# KiCad board panel.kicad_pcb (continued)
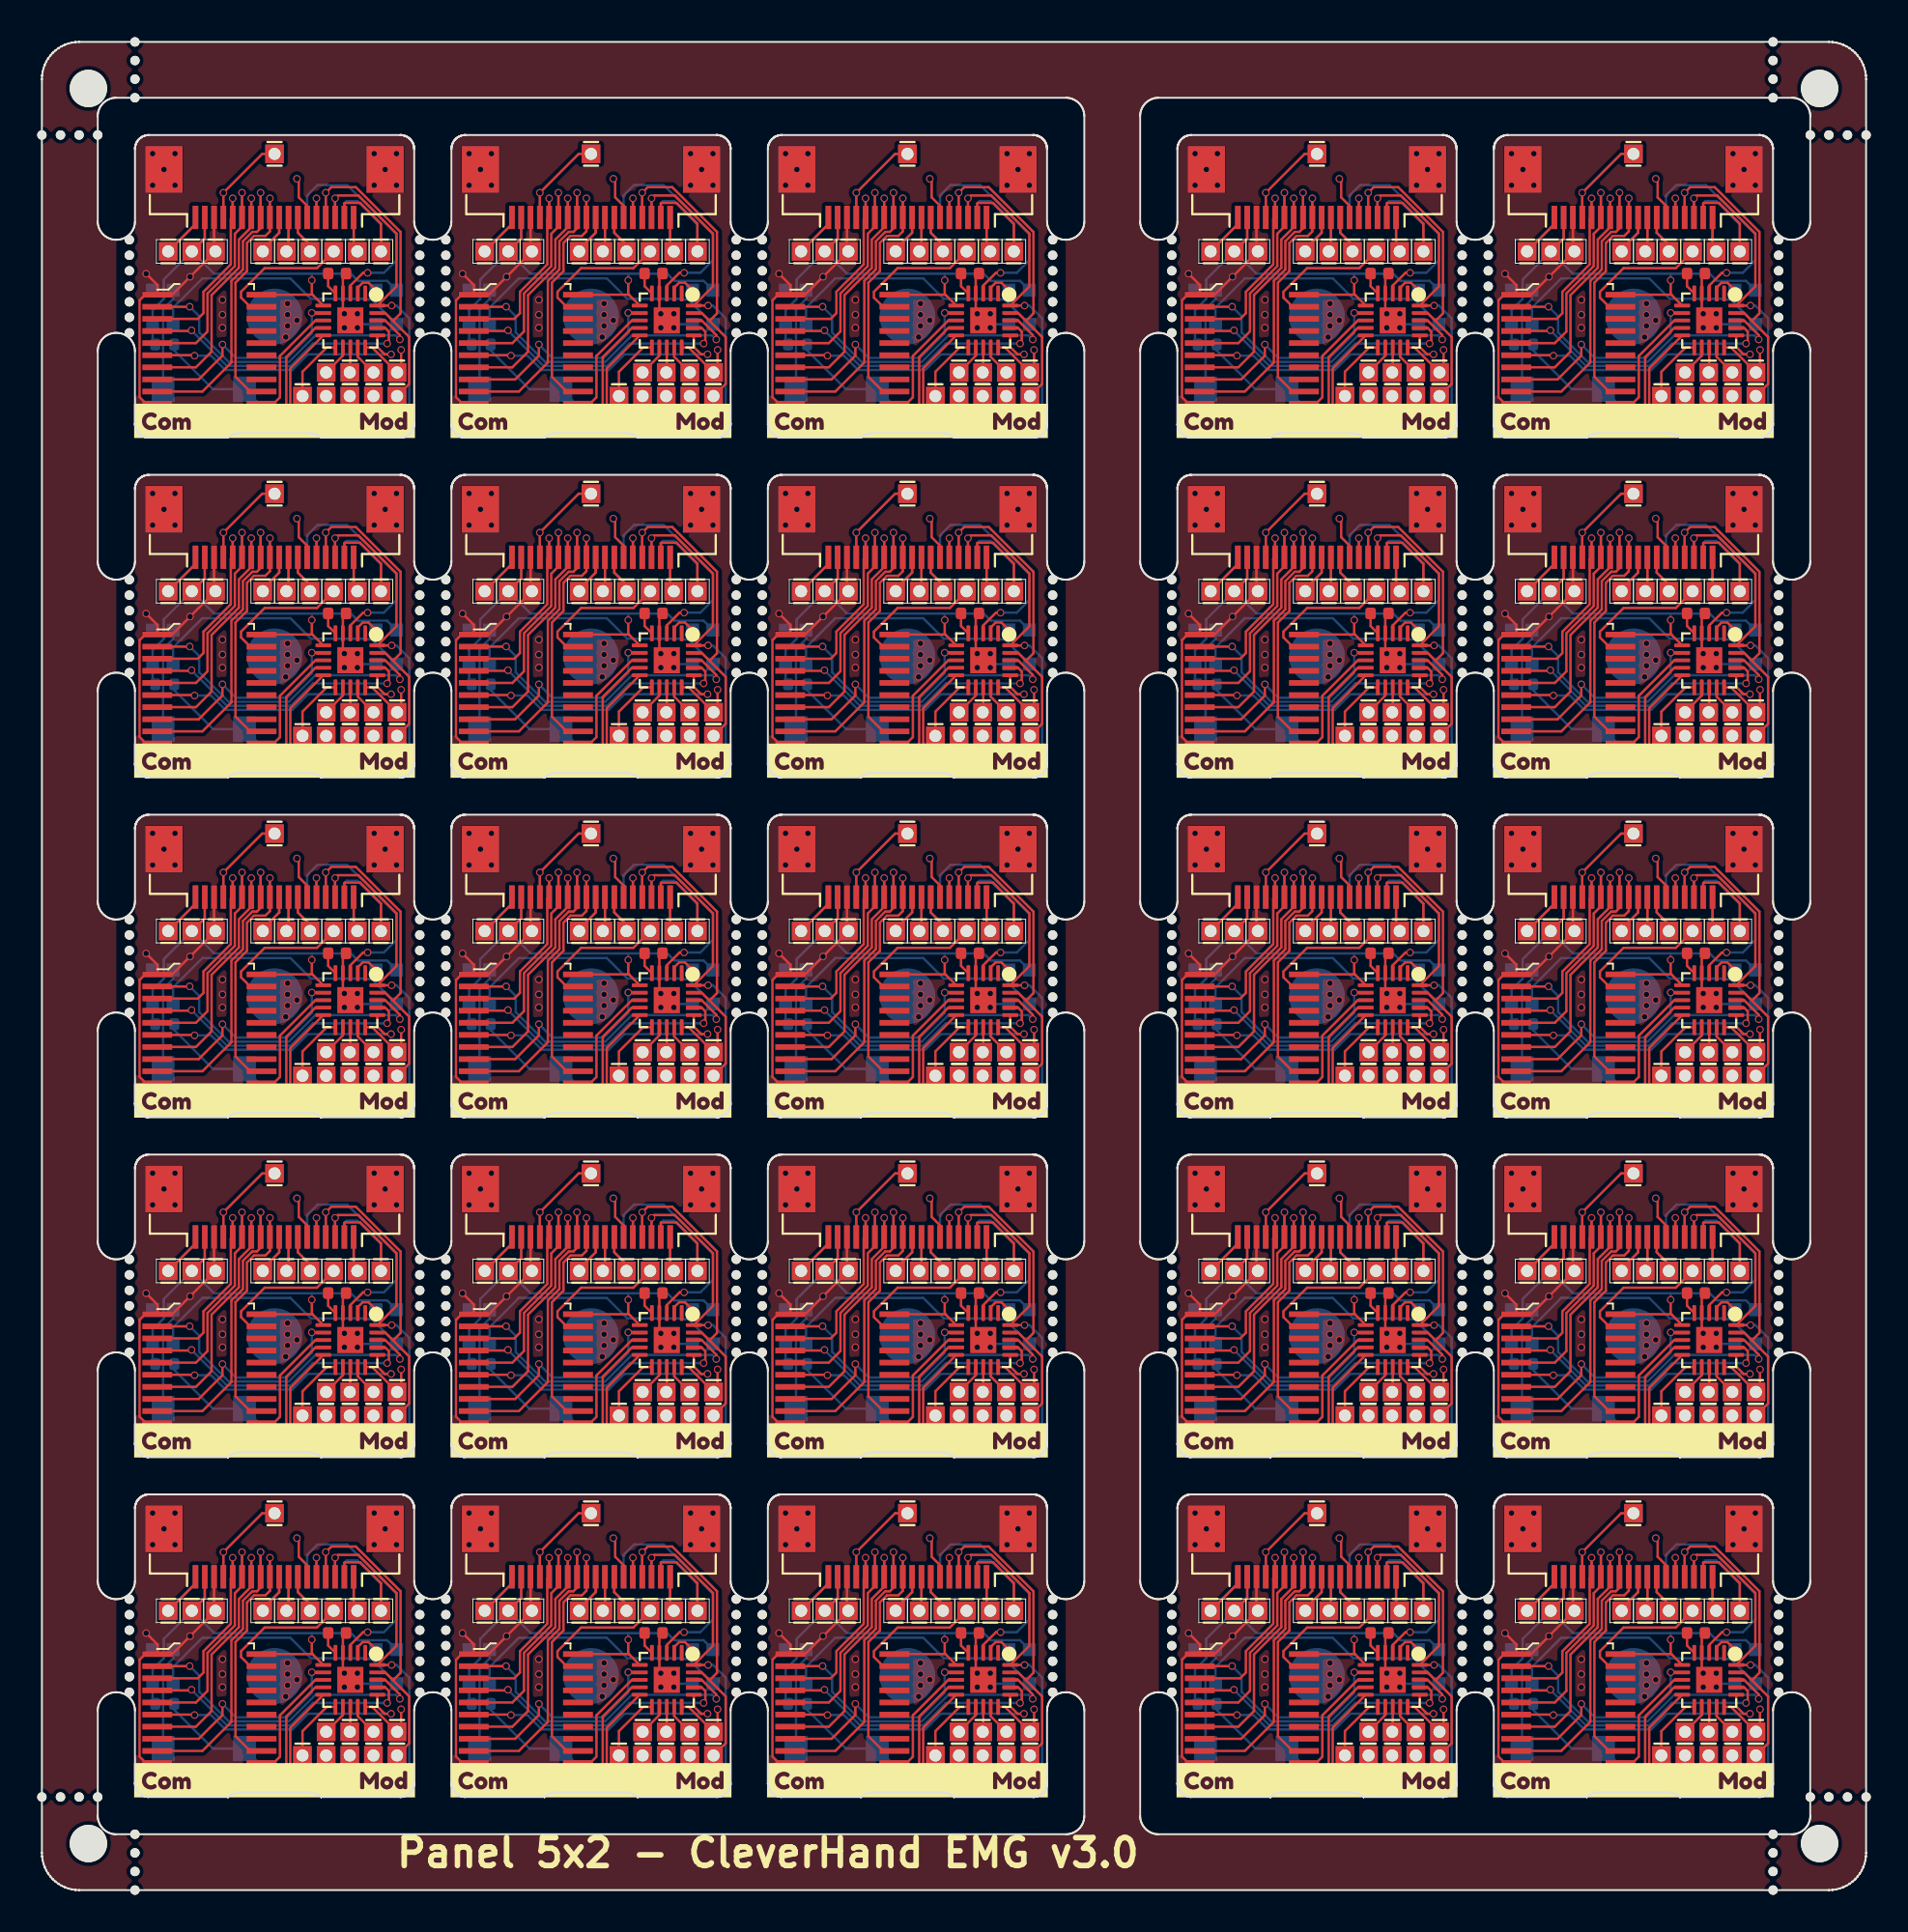
[diagram p0: board, top side]
## Nets (continued)
Board_16-/addr_bus_3: J4#25.8 J10#22.11 U2#6.9
Board_16-/addr_bus_4: J4#25.9 J10#22.10 U2#6.12
Board_16-/addr_bus_5: U2#6.14
Board_16-/addr_bus_6: U2#6.16
Board_16-/addr_bus_7: U2#6.18
Board_16-/addr_mod_0: U1#17.18 U2#6.2
Board_16-/addr_mod_1: U1#17.17 U2#6.4
Board_16-/addr_mod_2: U1#17.16 U2#6.6
Board_16-/addr_mod_3: U1#17.7 U2#6.8
Board_16-/addr_mod_4: U1#17.8 U2#6.11
Board_16-/addr_mod_5: U2#6.13
Board_16-/addr_mod_6: U2#6.15
Board_16-/addr_mod_7: U2#6.17
Board_16-/AIN0: J18#9.1 U1#17.11
Board_16-/AUX1: J4#25.1 J10#22.18 J19#19.1
Board_16-/AUX2: J4#25.17 J10#22.2 J20#23.1
Board_16-/AUX3: J3#7.1 J4#25.4 J10#22.15
Board_16-/CSB: J8#4.1 U2#6.19
Board_16-/extRef: J4#25.18 J9#2.1 J10#22.1
Board_16-/GPIO: J21#14.1 R1#17.2 SW1#19.1 U1#17.10
Board_16-/i2C_SCL: J4#25.16 J10#22.3 J16#17.1 U1#17.20
Board_16-/I2C_SDA: J4#25.15 J10#22.4 J17#2.1 U1#17.19
Board_16-/IO1_in: J4#25.13 U1#17.3
Board_16-/IO1_out: J10#22.6 J11#4.1 U1#17.15
Board_16-/IO2: J4#25.14 J10#22.5
Board_16-/LED_IN: LED1#21.3 U1#17.2
Board_16-/LED_OUT: LED2#2.1
Board_16-/MISO: J4#25.10 J5#3.1 J10#22.9
Board_16-/MOSI: J4#25.11 J6#22.1 J10#22.8
Board_16-/MOSI_ARM: J13#20.1 U1#17.13
Board_16-/SCLK: J4#25.12 J7#22.1 J10#22.7
Board_16-/SCLK_ARM: J14#17.1 U1#17.12
Board_16-/SPICS_ARM: J15#25.1 U1#17.9
Board_16-/SWDIO/MISO_ARM: J12#6.1 U1#17.14
Board_16-/Vcap: C1#23.2 U1#17.5
Board_16-GND: C1#23.1 I1#2.1 J2#21.1 J4#25.3 J4#25.19 J4#25.20 J10#22.16 J10#22.19 J10#22.20 LED1#21.2 LED2#2.2 SW1#19.2 U1#17.4 U1#17.21 U2#6.1 U2#6.10
Board_16-Net-(LED1-DO): LED1#21.1 LED2#2.3
Board_16-unconnected-(U1-P00-Pad1): U1#17.1
Board_17-+3.3V: J1.1 J4.2 J10#25.17 LED1#7.4 LED2#23.4 R1#24.1 U1#4.6 U2#7.20
Board_17-/addr_bus_0: J4.5 J10#25.14 U2#7.3
Board_17-/addr_bus_1: J4.6 J10#25.13 U2#7.5
Board_17-/addr_bus_2: J4.7 J10#25.12 U2#7.7
Board_17-/addr_bus_3: J4.8 J10#25.11 U2#7.9
Board_17-/addr_bus_4: J4.9 J10#25.10 U2#7.12
Board_17-/addr_bus_5: U2#7.14
Board_17-/addr_bus_6: U2#7.16
Board_17-/addr_bus_7: U2#7.18
Board_17-/addr_mod_0: U1#4.18 U2#7.2
Board_17-/addr_mod_1: U1#4.17 U2#7.4
Board_17-/addr_mod_2: U1#4.16 U2#7.6
Board_17-/addr_mod_3: U1#4.7 U2#7.8
Board_17-/addr_mod_4: U1#4.8 U2#7.11
Board_17-/addr_mod_5: U2#7.13
Board_17-/addr_mod_6: U2#7.15
Board_17-/addr_mod_7: U2#7.17
Board_17-/AIN0: J18#2.1 U1#4.11
Board_17-/AUX1: J4.1 J10#25.18 J19#15.1
Board_17-/AUX2: J4.17 J10#25.2 J20#16.1
Board_17-/AUX3: J3#19.1 J4.4 J10#25.15
Board_17-/CSB: J8#14.1 U2#7.19
Board_17-/extRef: J4.18 J9#24.1 J10#25.1
Board_17-/GPIO: J21#4.1 R1#24.2 SW1#23.1 U1#4.10
Board_17-/i2C_SCL: J4.16 J10#25.3 J16#24.1 U1#4.20
Board_17-/I2C_SDA: J4.15 J10#25.4 J17#19.1 U1#4.19
Board_17-/IO1_in: J4.13 U1#4.3
Board_17-/IO1_out: J10#25.6 J11#19.1 U1#4.15
Board_17-/IO2: J4.14 J10#25.5
Board_17-/LED_IN: LED1#7.3 U1#4.2
Board_17-/LED_OUT: LED2#23.1
Board_17-/MISO: J4.10 J5#20.1 J10#25.9
Board_17-/MOSI: J4.11 J6#12.1 J10#25.8
Board_17-/MOSI_ARM: J13#9.1 U1#4.13
Board_17-/SCLK: J4.12 J7#11.1 J10#25.7
Board_17-/SCLK_ARM: J14#6.1 U1#4.12
Board_17-/SPICS_ARM: J15#14.1 U1#4.9
Board_17-/SWDIO/MISO_ARM: J12#4.1 U1#4.14
Board_17-/Vcap: C1#18.2 U1#4.5
Board_17-GND: C1#18.1 I1#23.1 J2#19.1 J4.3 J4.19 J4.20 J10#25.16 J10#25.19 J10#25.20 LED1#7.2 LED2#23.2 SW1#23.2 U1#4.4 U1#4.21 U2#7.1 U2#7.10
Board_17-Net-(LED1-DO): LED1#7.1 LED2#23.3
Board_17-unconnected-(U1-P00-Pad1): U1#4.1
Board_18-+3.3V: J1#8.1 J4#4.2 J10#21.17 LED1#23.4 LED2#10.4 R1#15.1 U1#21.6 U2#24.20
Board_18-/addr_bus_0: J4#4.5 J10#21.14 U2#24.3
Board_18-/addr_bus_1: J4#4.6 J10#21.13 U2#24.5
Board_18-/addr_bus_2: J4#4.7 J10#21.12 U2#24.7
Board_18-/addr_bus_3: J4#4.8 J10#21.11 U2#24.9
Board_18-/addr_bus_4: J4#4.9 J10#21.10 U2#24.12
Board_18-/addr_bus_5: U2#24.14
Board_18-/addr_bus_6: U2#24.16
Board_18-/addr_bus_7: U2#24.18
Board_18-/addr_mod_0: U1#21.18 U2#24.2
Board_18-/addr_mod_1: U1#21.17 U2#24.4
Board_18-/addr_mod_2: U1#21.16 U2#24.6
Board_18-/addr_mod_3: U1#21.7 U2#24.8
Board_18-/addr_mod_4: U1#21.8 U2#24.11
Board_18-/addr_mod_5: U2#24.13
Board_18-/addr_mod_6: U2#24.15
Board_18-/addr_mod_7: U2#24.17
Board_18-/AIN0: J18#18.1 U1#21.11
Board_18-/AUX1: J4#4.1 J10#21.18 J19#13.1
Board_18-/AUX2: J4#4.17 J10#21.2 J20.1
Board_18-/AUX3: J3#21.1 J4#4.4 J10#21.15
Board_18-/CSB: J8#12.1 U2#24.19
Board_18-/extRef: J4#4.18 J9#9.1 J10#21.1
Board_18-/GPIO: J21#10.1 R1#15.2 SW1#13.1 U1#21.10
Board_18-/i2C_SCL: J4#4.16 J10#21.3 J16#5.1 U1#21.20
Board_18-/I2C_SDA: J4#4.15 J10#21.4 J17#25.1 U1#21.19
Board_18-/IO1_in: J4#4.13 U1#21.3
Board_18-/IO1_out: J10#21.6 J11#9.1 U1#21.15
Board_18-/IO2: J4#4.14 J10#21.5
Board_18-/LED_IN: LED1#23.3 U1#21.2
Board_18-/LED_OUT: LED2#10.1
Board_18-/MISO: J4#4.10 J5#19.1 J10#21.9
Board_18-/MOSI: J4#4.11 J6#17.1 J10#21.8
Board_18-/MOSI_ARM: J13.1 U1#21.13
Board_18-/SCLK: J4#4.12 J7#14.1 J10#21.7
Board_18-/SCLK_ARM: J14#15.1 U1#21.12
Board_18-/SPICS_ARM: J15#6.1 U1#21.9
Board_18-/SWDIO/MISO_ARM: J12#7.1 U1#21.14
Board_18-/Vcap: C1#25.2 U1#21.5
Board_18-GND: C1#25.1 I1.1 J2#10.1 J4#4.3 J4#4.19 J4#4.20 J10#21.16 J10#21.19 J10#21.20 LED1#23.2 LED2#10.2 SW1#13.2 U1#21.4 U1#21.21 U2#24.1 U2#24.10
Board_18-Net-(LED1-DO): LED1#23.1 LED2#10.3
Board_18-unconnected-(U1-P00-Pad1): U1#21.1
Board_19-+3.3V: J1#12.1 J4#10.2 J10#4.17 LED1#22.4 LED2#18.4 R1#5.1 U1.6 U2#2.20
Board_19-/addr_bus_0: J4#10.5 J10#4.14 U2#2.3
Board_19-/addr_bus_1: J4#10.6 J10#4.13 U2#2.5
Board_19-/addr_bus_2: J4#10.7 J10#4.12 U2#2.7
Board_19-/addr_bus_3: J4#10.8 J10#4.11 U2#2.9
Board_19-/addr_bus_4: J4#10.9 J10#4.10 U2#2.12
Board_19-/addr_bus_5: U2#2.14
Board_19-/addr_bus_6: U2#2.16
Board_19-/addr_bus_7: U2#2.18
Board_19-/addr_mod_0: U1.18 U2#2.2
Board_19-/addr_mod_1: U1.17 U2#2.4
Board_19-/addr_mod_2: U1.16 U2#2.6
Board_19-/addr_mod_3: U1.7 U2#2.8
Board_19-/addr_mod_4: U1.8 U2#2.11
Board_19-/addr_mod_5: U2#2.13
Board_19-/addr_mod_6: U2#2.15
Board_19-/addr_mod_7: U2#2.17
Board_19-/AIN0: J18#5.1 U1.11
Board_19-/AUX1: J4#10.1 J10#4.18 J19#8.1
Board_19-/AUX2: J4#10.17 J10#4.2 J20#18.1
Board_19-/AUX3: J3#4.1 J4#10.4 J10#4.15
Board_19-/CSB: J8#25.1 U2#2.19
Board_19-/extRef: J4#10.18 J9#18.1 J10#4.1
Board_19-/GPIO: J21#2.1 R1#5.2 SW1#17.1 U1.10
Board_19-/i2C_SCL: J4#10.16 J10#4.3 J16#16.1 U1.20
Board_19-/I2C_SDA: J4#10.15 J10#4.4 J17#21.1 U1.19
Board_19-/IO1_in: J4#10.13 U1.3
Board_19-/IO1_out: J10#4.6 J11#24.1 U1.15
Board_19-/IO2: J4#10.14 J10#4.5
Board_19-/LED_IN: LED1#22.3 U1.2
Board_19-/LED_OUT: LED2#18.1
Board_19-/MISO: J4#10.10 J5#25.1 J10#4.9
Board_19-/MOSI: J4#10.11 J6#13.1 J10#4.8
Board_19-/MOSI_ARM: J13#3.1 U1.13
Board_19-/SCLK: J4#10.12 J7.1 J10#4.7
Board_19-/SCLK_ARM: J14#5.1 U1.12
Board_19-/SPICS_ARM: J15#4.1 U1.9
Board_19-/SWDIO/MISO_ARM: J12#23.1 U1.14
Board_19-/Vcap: C1#19.2 U1.5
Board_19-GND: C1#19.1 I1#10.1 J2#15.1 J4#10.3 J4#10.19 J4#10.20 J10#4.16 J10#4.19 J10#4.20 LED1#22.2 LED2#18.2 SW1#17.2 U1.4 U1.21 U2#2.1 U2#2.10
Board_19-Net-(LED1-DO): LED1#22.1 LED2#18.3
Board_19-unconnected-(U1-P00-Pad1): U1.1
Board_20-+3.3V: J1#7.1 J4#18.2 J10#6.17 LED1#13.4 LED2#3.4 R1#18.1 U1#8.6 U2#16.20
Board_20-/addr_bus_0: J4#18.5 J10#6.14 U2#16.3
Board_20-/addr_bus_1: J4#18.6 J10#6.13 U2#16.5
Board_20-/addr_bus_2: J4#18.7 J10#6.12 U2#16.7
Board_20-/addr_bus_3: J4#18.8 J10#6.11 U2#16.9
Board_20-/addr_bus_4: J4#18.9 J10#6.10 U2#16.12
Board_20-/addr_bus_5: U2#16.14
Board_20-/addr_bus_6: U2#16.16
Board_20-/addr_bus_7: U2#16.18
Board_20-/addr_mod_0: U1#8.18 U2#16.2
Board_20-/addr_mod_1: U1#8.17 U2#16.4
Board_20-/addr_mod_2: U1#8.16 U2#16.6
Board_20-/addr_mod_3: U1#8.7 U2#16.8
Board_20-/addr_mod_4: U1#8.8 U2#16.11
Board_20-/addr_mod_5: U2#16.13
Board_20-/addr_mod_6: U2#16.15
Board_20-/addr_mod_7: U2#16.17
Board_20-/AIN0: J18#6.1 U1#8.11
Board_20-/AUX1: J4#18.1 J10#6.18 J19#10.1
Board_20-/AUX2: J4#18.17 J10#6.2 J20#10.1
Board_20-/AUX3: J3#3.1 J4#18.4 J10#6.15
Board_20-/CSB: J8#19.1 U2#16.19
Board_20-/extRef: J4#18.18 J9#20.1 J10#6.1
Board_20-/GPIO: J21#15.1 R1#18.2 SW1#8.1 U1#8.10
Board_20-/i2C_SCL: J4#18.16 J10#6.3 J16#10.1 U1#8.20
Board_20-/I2C_SDA: J4#18.15 J10#6.4 J17#5.1 U1#8.19
Board_20-/IO1_in: J4#18.13 U1#8.3
Board_20-/IO1_out: J10#6.6 J11#7.1 U1#8.15
Board_20-/IO2: J4#18.14 J10#6.5
Board_20-/LED_IN: LED1#13.3 U1#8.2
Board_20-/LED_OUT: LED2#3.1
Board_20-/MISO: J4#18.10 J5#23.1 J10#6.9
Board_20-/MOSI: J4#18.11 J6#8.1 J10#6.8
Board_20-/MOSI_ARM: J13#8.1 U1#8.13
Board_20-/SCLK: J4#18.12 J7#20.1 J10#6.7
Board_20-/SCLK_ARM: J14#4.1 U1#8.12
Board_20-/SPICS_ARM: J15#17.1 U1#8.9
Board_20-/SWDIO/MISO_ARM: J12#5.1 U1#8.14
Board_20-/Vcap: C1#6.2 U1#8.5
Board_20-GND: C1#6.1 I1#6.1 J2#2.1 J4#18.3 J4#18.19 J4#18.20 J10#6.16 J10#6.19 J10#6.20 LED1#13.2 LED2#3.2 SW1#8.2 U1#8.4 U1#8.21 U2#16.1 U2#16.10
Board_20-Net-(LED1-DO): LED1#13.1 LED2#3.3
Board_20-unconnected-(U1-P00-Pad1): U1#8.1
Board_21-+3.3V: J1#21.1 J4#17.2 J10#10.17 LED1#9.4 LED2.4 R1#4.1 U1#10.6 U2#4.20
Board_21-/addr_bus_0: J4#17.5 J10#10.14 U2#4.3
Board_21-/addr_bus_1: J4#17.6 J10#10.13 U2#4.5
Board_21-/addr_bus_2: J4#17.7 J10#10.12 U2#4.7
Board_21-/addr_bus_3: J4#17.8 J10#10.11 U2#4.9
Board_21-/addr_bus_4: J4#17.9 J10#10.10 U2#4.12
Board_21-/addr_bus_5: U2#4.14
Board_21-/addr_bus_6: U2#4.16
Board_21-/addr_bus_7: U2#4.18
Board_21-/addr_mod_0: U1#10.18 U2#4.2
Board_21-/addr_mod_1: U1#10.17 U2#4.4
Board_21-/addr_mod_2: U1#10.16 U2#4.6
Board_21-/addr_mod_3: U1#10.7 U2#4.8
Board_21-/addr_mod_4: U1#10.8 U2#4.11
Board_21-/addr_mod_5: U2#4.13
Board_21-/addr_mod_6: U2#4.15
Board_21-/addr_mod_7: U2#4.17
Board_21-/AIN0: J18#4.1 U1#10.11
Board_21-/AUX1: J4#17.1 J10#10.18 J19#12.1
Board_21-/AUX2: J4#17.17 J10#10.2 J20#20.1
Board_21-/AUX3: J3#25.1 J4#17.4 J10#10.15
Board_21-/CSB: J8#10.1 U2#4.19
Board_21-/extRef: J4#17.18 J9#22.1 J10#10.1
Board_21-/GPIO: J21#8.1 R1#4.2 SW1#3.1 U1#10.10
Board_21-/i2C_SCL: J4#17.16 J10#10.3 J16#22.1 U1#10.20
Board_21-/I2C_SDA: J4#17.15 J10#10.4 J17#4.1 U1#10.19
Board_21-/IO1_in: J4#17.13 U1#10.3
Board_21-/IO1_out: J10#10.6 J11#13.1 U1#10.15
Board_21-/IO2: J4#17.14 J10#10.5
Board_21-/LED_IN: LED1#9.3 U1#10.2
Board_21-/LED_OUT: LED2.1
Board_21-/MISO: J4#17.10 J5#12.1 J10#10.9
Board_21-/MOSI: J4#17.11 J6#14.1 J10#10.8
Board_21-/MOSI_ARM: J13#17.1 U1#10.13
Board_21-/SCLK: J4#17.12 J7#23.1 J10#10.7
Board_21-/SCLK_ARM: J14#11.1 U1#10.12
Board_21-/SPICS_ARM: J15#9.1 U1#10.9
Board_21-/SWDIO/MISO_ARM: J12#9.1 U1#10.14
Board_21-/Vcap: C1#8.2 U1#10.5
Board_21-GND: C1#8.1 I1#25.1 J2#9.1 J4#17.3 J4#17.19 J4#17.20 J10#10.16 J10#10.19 J10#10.20 LED1#9.2 LED2.2 SW1#3.2 U1#10.4 U1#10.21 U2#4.1 U2#4.10
Board_21-Net-(LED1-DO): LED1#9.1 LED2.3
Board_21-unconnected-(U1-P00-Pad1): U1#10.1
Board_22-+3.3V: J1#5.1 J4#3.2 J10#3.17 LED1#18.4 LED2#15.4 R1#11.1 U1#22.6 U2#10.20
Board_22-/addr_bus_0: J4#3.5 J10#3.14 U2#10.3
Board_22-/addr_bus_1: J4#3.6 J10#3.13 U2#10.5
Board_22-/addr_bus_2: J4#3.7 J10#3.12 U2#10.7
Board_22-/addr_bus_3: J4#3.8 J10#3.11 U2#10.9
Board_22-/addr_bus_4: J4#3.9 J10#3.10 U2#10.12
Board_22-/addr_bus_5: U2#10.14
Board_22-/addr_bus_6: U2#10.16
Board_22-/addr_bus_7: U2#10.18
Board_22-/addr_mod_0: U1#22.18 U2#10.2
Board_22-/addr_mod_1: U1#22.17 U2#10.4
Board_22-/addr_mod_2: U1#22.16 U2#10.6
Board_22-/addr_mod_3: U1#22.7 U2#10.8
Board_22-/addr_mod_4: U1#22.8 U2#10.11
Board_22-/addr_mod_5: U2#10.13
Board_22-/addr_mod_6: U2#10.15
Board_22-/addr_mod_7: U2#10.17
Board_22-/AIN0: J18#10.1 U1#22.11
Board_22-/AUX1: J4#3.1 J10#3.18 J19#7.1
Board_22-/AUX2: J4#3.17 J10#3.2 J20#4.1
Board_22-/AUX3: J3.1 J4#3.4 J10#3.15
Board_22-/CSB: J8#23.1 U2#10.19
Board_22-/extRef: J4#3.18 J9#15.1 J10#3.1
Board_22-/GPIO: J21#7.1 R1#11.2 SW1#22.1 U1#22.10
Board_22-/i2C_SCL: J4#3.16 J10#3.3 J16#19.1 U1#22.20
Board_22-/I2C_SDA: J4#3.15 J10#3.4 J17#18.1 U1#22.19
Board_22-/IO1_in: J4#3.13 U1#22.3
Board_22-/IO1_out: J10#3.6 J11#17.1 U1#22.15
Board_22-/IO2: J4#3.14 J10#3.5
Board_22-/LED_IN: LED1#18.3 U1#22.2
Board_22-/LED_OUT: LED2#15.1
Board_22-/MISO: J4#3.10 J5#9.1 J10#3.9
Board_22-/MOSI: J4#3.11 J6#4.1 J10#3.8
Board_22-/MOSI_ARM: J13#13.1 U1#22.13
Board_22-/SCLK: J4#3.12 J7#8.1 J10#3.7
Board_22-/SCLK_ARM: J14#24.1 U1#22.12
Board_22-/SPICS_ARM: J15#18.1 U1#22.9
Board_22-/SWDIO/MISO_ARM: J12#25.1 U1#22.14
Board_22-/Vcap: C1#24.2 U1#22.5
Board_22-GND: C1#24.1 I1#9.1 J2#4.1 J4#3.3 J4#3.19 J4#3.20 J10#3.16 J10#3.19 J10#3.20 LED1#18.2 LED2#15.2 SW1#22.2 U1#22.4 U1#22.21 U2#10.1 U2#10.10
Board_22-Net-(LED1-DO): LED1#18.1 LED2#15.3
Board_22-unconnected-(U1-P00-Pad1): U1#22.1
Board_23-+3.3V: J1#3.1 J4#12.2 J10#23.17 LED1#14.4 LED2#17.4 R1#13.1 U1#16.6 U2#13.20
Board_23-/addr_bus_0: J4#12.5 J10#23.14 U2#13.3
Board_23-/addr_bus_1: J4#12.6 J10#23.13 U2#13.5
Board_23-/addr_bus_2: J4#12.7 J10#23.12 U2#13.7
Board_23-/addr_bus_3: J4#12.8 J10#23.11 U2#13.9
Board_23-/addr_bus_4: J4#12.9 J10#23.10 U2#13.12
Board_23-/addr_bus_5: U2#13.14
Board_23-/addr_bus_6: U2#13.16
Board_23-/addr_bus_7: U2#13.18
Board_23-/addr_mod_0: U1#16.18 U2#13.2
Board_23-/addr_mod_1: U1#16.17 U2#13.4
Board_23-/addr_mod_2: U1#16.16 U2#13.6
Board_23-/addr_mod_3: U1#16.7 U2#13.8
Board_23-/addr_mod_4: U1#16.8 U2#13.11
Board_23-/addr_mod_5: U2#13.13
Board_23-/addr_mod_6: U2#13.15
Board_23-/addr_mod_7: U2#13.17
Board_23-/AIN0: J18#7.1 U1#16.11
Board_23-/AUX1: J4#12.1 J10#23.18 J19#25.1
Board_23-/AUX2: J4#12.17 J10#23.2 J20#11.1
Board_23-/AUX3: J3#17.1 J4#12.4 J10#23.15
Board_23-/CSB: J8#5.1 U2#13.19
Board_23-/extRef: J4#12.18 J9#17.1 J10#23.1
Board_23-/GPIO: J21#20.1 R1#13.2 SW1#16.1 U1#16.10
Board_23-/i2C_SCL: J4#12.16 J10#23.3 J16#14.1 U1#16.20
Board_23-/I2C_SDA: J4#12.15 J10#23.4 J17#9.1 U1#16.19
Board_23-/IO1_in: J4#12.13 U1#16.3
Board_23-/IO1_out: J10#23.6 J11#6.1 U1#16.15
Board_23-/IO2: J4#12.14 J10#23.5
Board_23-/LED_IN: LED1#14.3 U1#16.2
Board_23-/LED_OUT: LED2#17.1
Board_23-/MISO: J4#12.10 J5#13.1 J10#23.9
Board_23-/MOSI: J4#12.11 J6#6.1 J10#23.8
Board_23-/MOSI_ARM: J13#16.1 U1#16.13
Board_23-/SCLK: J4#12.12 J7#2.1 J10#23.7
Board_23-/SCLK_ARM: J14#9.1 U1#16.12
Board_23-/SPICS_ARM: J15#10.1 U1#16.9
Board_23-/SWDIO/MISO_ARM: J12#11.1 U1#16.14
Board_23-/Vcap: C1#12.2 U1#16.5
Board_23-GND: C1#12.1 I1#8.1 J2#18.1 J4#12.3 J4#12.19 J4#12.20 J10#23.16 J10#23.19 J10#23.20 LED1#14.2 LED2#17.2 SW1#16.2 U1#16.4 U1#16.21 U2#13.1 U2#13.10
Board_23-Net-(LED1-DO): LED1#14.1 LED2#17.3
Board_23-unconnected-(U1-P00-Pad1): U1#16.1
Board_24-+3.3V: J1#15.1 J4#14.2 J10#15.17 LED1#25.4 LED2#14.4 R1#7.1 U1#20.6 U2#15.20
Board_24-/addr_bus_0: J4#14.5 J10#15.14 U2#15.3
Board_24-/addr_bus_1: J4#14.6 J10#15.13 U2#15.5
Board_24-/addr_bus_2: J4#14.7 J10#15.12 U2#15.7
Board_24-/addr_bus_3: J4#14.8 J10#15.11 U2#15.9
Board_24-/addr_bus_4: J4#14.9 J10#15.10 U2#15.12
Board_24-/addr_bus_5: U2#15.14
Board_24-/addr_bus_6: U2#15.16
Board_24-/addr_bus_7: U2#15.18
Board_24-/addr_mod_0: U1#20.18 U2#15.2
Board_24-/addr_mod_1: U1#20.17 U2#15.4
Board_24-/addr_mod_2: U1#20.16 U2#15.6
Board_24-/addr_mod_3: U1#20.7 U2#15.8
Board_24-/addr_mod_4: U1#20.8 U2#15.11
Board_24-/addr_mod_5: U2#15.13
Board_24-/addr_mod_6: U2#15.15
Board_24-/addr_mod_7: U2#15.17
Board_24-/AIN0: J18#17.1 U1#20.11
Board_24-/AUX1: J4#14.1 J10#15.18 J19#5.1
Board_24-/AUX2: J4#14.17 J10#15.2 J20#9.1
Board_24-/AUX3: J3#6.1 J4#14.4 J10#15.15
Board_24-/CSB: J8#16.1 U2#15.19
Board_24-/extRef: J4#14.18 J9#23.1 J10#15.1
Board_24-/GPIO: J21#5.1 R1#7.2 SW1#2.1 U1#20.10
Board_24-/i2C_SCL: J4#14.16 J10#15.3 J16#20.1 U1#20.20
Board_24-/I2C_SDA: J4#14.15 J10#15.4 J17.1 U1#20.19
Board_24-/IO1_in: J4#14.13 U1#20.3
Board_24-/IO1_out: J10#15.6 J11#10.1 U1#20.15
Board_24-/IO2: J4#14.14 J10#15.5
Board_24-/LED_IN: LED1#25.3 U1#20.2
Board_24-/LED_OUT: LED2#14.1
Board_24-/MISO: J4#14.10 J5#17.1 J10#15.9
Board_24-/MOSI: J4#14.11 J6#5.1 J10#15.8
Board_24-/MOSI_ARM: J13#7.1 U1#20.13
Board_24-/SCLK: J4#14.12 J7#7.1 J10#15.7
Board_24-/SCLK_ARM: J14#22.1 U1#20.12
Board_24-/SPICS_ARM: J15#24.1 U1#20.9
Board_24-/SWDIO/MISO_ARM: J12#17.1 U1#20.14
Board_24-/Vcap: C1#4.2 U1#20.5
Board_24-GND: C1#4.1 I1#3.1 J2#5.1 J4#14.3 J4#14.19 J4#14.20 J10#15.16 J10#15.19 J10#15.20 LED1#25.2 LED2#14.2 SW1#2.2 U1#20.4 U1#20.21 U2#15.1 U2#15.10
Board_24-Net-(LED1-DO): LED1#25.1 LED2#14.3
Board_24-unconnected-(U1-P00-Pad1): U1#20.1

## Via types
v1: diameter 0.4, hole 0.3, Front to Back, 1175 vias

## Routing (per net, layer and track width the routed paths; a pad name or vN(x,y) marks a point on that pad's centre or on a via; arc(x,y) is an arc through that point)
Board_0-+3.3V: length 26.7
  Front w0.127: 14.55,85.66 14.5,85.71 v1(14.5,86.45) ; 14.55,85.66 U1#11.6 ; 14.55,85.66 14.53,85.68 U2#17.20 ; J10#24.17 8.75,88.7 J1#13.1
  Back w0.127: J1#13.1 8.75,88.7 J10#24.17 ; J1#13.1 6.55,86.49 6.55,85.45 5.95,84.85 LED2#24.4 5.95,83.14 R1#20.1 ; J1#13.1 9.26,86.8 14.5,86.8 ; 14.5,86.8 16.6,86.8 16.98,86.42 18.55,86.42 LED1#19.4 ; 14.5,86.8 v1(14.5,86.45)
Board_0-/addr_bus_0: length 10.5
  Front w0.127: v1(10.25,90.85) J10#24.14 10.15,89.73 10.15,87.3 8.68,85.83 8.68,84.68 8.37,84.38 U2#17.3
  Back w0.127: J10#24.14 v1(10.25,90.85)
Board_0-/addr_bus_1: length 12.5
  Front w0.127: U2#17.5 8.27,83.08 8.9,83.7 8.9,85.74 10.37,87.21 10.37,88.95 10.75,89.33 J10#24.13 v1(10.75,91.15)
  Back w0.127: J10#24.13 v1(10.75,91.15)
Board_0-/addr_bus_2: length 13.4
  Front w0.127: v1(11.25,90.85) J10#24.12 11.25,89.3 10.58,88.63 10.58,87.12 9.12,85.65 9.12,82.62 8.27,81.78 U2#17.7
  Back w0.127: J10#24.12 v1(11.25,90.85)
Board_0-/addr_bus_3: length 15.9
  Front w0.127: U2#17.9 8.62,80.48 10.18,82.03 10.18,86.41 10.8,87.03 10.8,88.54 11.3,89.05 11.55,89.05 11.75,89.24 J10#24.11 v1(11.75,91.15)
  Back w0.127: J10#24.11 v1(11.75,91.15)
Board_0-/addr_bus_4: length 13.5
  Front w0.127: U2#17.12 11.19,80.48 10.4,81.27 10.4,86.32 11.02,86.94 11.02,88.45 11.39,88.83 12.01,88.83 12.25,89.07 J10#24.10 v1(12.25,90.85)
  Back w0.127: J10#24.10 v1(12.25,90.85)
Board_0-/addr_mod_0: length 17.2
  Front w0.127: U1#11.18 18.44,84.29 19.23,83.51 v1(19.23,83.27) ; v1(7.94,85.03) 7.93,85.03 U2#17.2
  Back w0.127: v1(19.23,83.27) 19.01,83.49 14.69,83.49 13.27,82.06 10.04,82.06 8.45,83.65 8.45,84.52 v1(7.94,85.03)
Board_0-/addr_mod_1: length 15
  Front w0.127: U2#17.4 8,83.73 v1(8.04,83.76) ; U1#11.17 18.44,83.89 18.64,83.7 18.64,83.2 18.55,83.11 v1(18.55,83.05)
  Back w0.127: v1(8.04,83.76) 8.04,83.75 9.95,81.85 13.36,81.85 14.56,83.05 v1(18.55,83.05)
Board_0-/addr_mod_2: length 14.8
  Front w0.127: U1#11.16 18.02,82.87 18.42,82.47 v1(18.76,82.47) ; U2#17.6 8.17,82.43 v1(8.2,82.4)
  Back w0.127: v1(18.76,82.47) 14.29,82.47 13.45,81.63 9.86,81.63 9.09,82.4 v1(8.2,82.4)
Board_0-/addr_mod_3: length 12
  Front w0.127: v1(9.7,83) 9.7,82.4 8.42,81.13 U2#17.8 ; v1(14.5,84.7) 14.68,84.7 14.69,84.69 U1#11.7
  Back w0.127: v1(14.5,84.7) 14.5,83.6 13.18,82.28 10.42,82.28 v1(9.7,83)
Board_0-/addr_mod_4: length 6.5
  Front w0.127: U1#11.8 14.69,84.29 12.79,82.39 12.79,80.17 12.45,79.83 U2#17.11
Board_0-/AIN0: length 3.6
  Front w0.127: J18#8.1 14,81.54 15.3,82.84 U1#11.11
Board_0-/AUX1: length 4.9
  Front w0.127: J19.1 8.25,89.47 J10#24.18
  Back w0.127: J19.1 8.25,89.47 J10#24.18
Board_0-/AUX2: length 9.4
  Front w0.127: J10#24.2 16.25,90.58 16.28,90.6 17.1,90.6 18.21,89.49 J20#14.1
  Back w0.127: J20#14.1 18.21,89.44 16.96,90.7 16.37,90.7 16.25,90.58 J10#24.2
Board_0-/AUX3: length 6.3
  Front w0.127: J10#24.15 v1(9.75,91.15) 11.84,93.24 J3#8.1
  Back w0.127: v1(9.75,91.15) J10#24.15
Board_0-/CSB: length 7.5
  Front w0.127: J8#18.1 14.77,87.1 11.97,87.1 10.7,85.83 10.7,85.52 11.19,85.03 U2#17.19
Board_0-/extRef: length 3.8
  Front w0.127: J10#24.1 16.75,88.2 J9#19.1
  Back w0.127: J10#24.1 16.75,88.2 J9#19.1
Board_0-/GPIO: length 16.9
  Front w0.127: J21.1 14.62,79.58 13.36,79.58 13.35,79.59 13.35,81.72 U1#11.10
  Back w0.127: R1#20.2 7.11,82.68 9.19,80.6 SW1#12.1 11.91,79.58 14.62,79.58 J21.1
Board_0-/i2C_SCL: length 19.6
  Front w0.127: v1(18.79,85.09) U1#11.20 19.05,86.12 19.05,88.96 17.01,91 15.9,91 v1(15.75,90.85) J10#24.3
  Back w0.127: v1(15.75,90.85) J10#24.3 ; J16#12.1 18.46,79.58 19.73,79.58 19.73,84.41 19.05,85.09 v1(18.79,85.09)
Board_0-/I2C_SDA: length 18.4
  Front w0.127: 18.87,84.27 18.44,84.69 U1#11.19 ; 18.87,84.27 19.73,83.4 19.73,80.88 J17#15.1 ; 18.87,84.27 19.27,84.67 19.27,89.05 16.86,91.45 15.55,91.45 v1(15.25,91.15) J10#24.4
  Back w0.127: v1(15.25,91.15) J10#24.4
Board_0-/IO1_in: length 12.2
  Front w0.127: v1(17.5,86.85) 17.25,86.85 16.57,86.17 U1#11.3
  Back w0.127: J4#8.13 14.25,91 14.81,91.56 16.4,91.56 19.05,88.91 19.05,87.53 18.37,86.85 v1(17.5,86.85)
Board_0-/IO1_out: length 19.7
  Front w0.127: v1(13.7,91.9) 13.8,91.8 13.8,90.9 14.25,90.45 J10#24.6 ; v1(19.3,82.71) 19.3,81.72 J11#8.1 17.74,82.84 U1#11.15
  In2.Cu w0.127: v1(13.7,91.9) 13.9,92.1 16.65,92.1 19.64,89.11 19.64,83.05 v1(19.3,82.71)
Board_0-/IO2: length 2.1
  Front w0.127: v1(14.75,90.85) J10#24.5
  Back w0.127: J10#24.5 v1(14.75,90.85)
Board_0-/LED_IN: length 1.6
  Front w0.127: v1(17.95,85.92) 17.55,86.32 17.23,86.32 16.97,86.05 U1#11.2
Board_0-/MISO: length 4.4
  Front w0.127: J5#24.1 11.87,88.12 12.75,89 J10#24.9
  Back w0.127: J10#24.9 12.75,89 11.87,88.12 J5#24.1
Board_0-/MOSI: length 3.7
  Front w0.127: J10#24.8 13.25,88.12 J6#21.1
  Back w0.127: J6#21.1 13.25,88.12 J10#24.8
Board_0-/MOSI_ARM: length 1.4
  Front w0.127: J13#23.1 16.57,81.53 U1#11.13
Board_0-/SCLK: length 4.2
  Front w0.127: J10#24.7 13.75,89 14.41,88.35 J7#3.1
  Back w0.127: J10#24.7 13.75,89 14.41,88.35 J7#3.1
Board_0-/SCLK_ARM: length 1.7
  Front w0.127: J14#19.1 16.17,82.4 U1#11.12
Board_0-/SPICS_ARM: length 9.3
  Front w0.127: J15#20.1 15.67,79.36 13.27,79.36 13.13,79.5 13.13,82.32 14.69,83.89 U1#11.9
Board_0-/SWDIO/MISO_ARM: length 1.7
  Front w0.127: U1#11.14 16.97,82.34 J12#3.1
Board_0-/Vcap: length 1.2
  Front w0.127: C1#15.2 15.38,86.13 U1#11.5
Board_0-GND: length 27.5
  Front w0.127: U1#11.21 16.25,84.61 v1(16.25,84.65) 16.21,84.65 16.17,84.69 U1#11.4 16.17,86.64 C1#15.1 ; U2#17.1 6.2,86.2 v1(5.6,86.8) ; U2#17.1 5.55,85.68 5.25,85.37 5.25,80.17 5.59,79.83 U2#17.10 ; U2#17.1 7,85.68 v1(7.96,86.64) J2#23.1 9.25,88.08 J10#24.16
  Back w0.127: 16.66,84.09 16.76,84.09 v1(16.95,83.9) 17.13,84.09 LED1#19.2 ; v1(7.96,86.64) 7.24,85.92 LED2#24.2 7.05,85.44 6.51,84.9 SW1#12.2 ; J2#23.1 9.25,88.08 J10#24.16
  vias: v1(5.95,93.25) v1(5.95,91.55) v1(6.56,92.4) v1(7.15,93.25) v1(7.15,91.55) v1(9.7,85.4) v1(9.7,84.6) v1(9.7,83.9) v1(13.1,83.4) v1(13.2,85.2) v1(13.2,84.6) v1(13.2,84) v1(13.7,84.3) v1(16.25,83.9) v1(16.95,84.65) v1(17.85,93.25) v1(17.85,91.55) v1(18.44,92.4) v1(19.05,93.25) v1(19.05,91.55)
Board_0-Net-(LED1-DO): length 14.6
  Back w0.127: LED2#24.3 7.05,84.98 8.62,86.55 13.35,86.55 14.45,85.45 17.45,85.45 17.48,85.41 17.72,85.41 LED1#19.1
Board_1-+3.3V: length 26.7
  Front w0.127: v1(31.5,86.45) 31.5,85.71 31.55,85.66 ; U2#8.20 31.53,85.68 31.55,85.66 ; 31.55,85.66 U1#12.6 ; J1#14.1 25.75,88.7 J10#2.17
  Back w0.127: LED1#10.4 35.55,86.42 33.98,86.42 33.6,86.8 31.5,86.8 ; 31.5,86.8 v1(31.5,86.45) ; 31.5,86.8 26.25,86.8 J1#14.1 ; J1#14.1 23.55,86.49 23.55,85.45 22.95,84.85 LED2#11.4 22.95,83.14 R1#3.1 ; J1#14.1 25.75,88.7 J10#2.17
Board_1-/addr_bus_0: length 10.5
  Front w0.127: U2#8.3 25.37,84.38 25.68,84.68 25.68,85.83 27.15,87.3 27.15,89.73 J10#2.14 v1(27.25,90.85)
  Back w0.127: J10#2.14 v1(27.25,90.85)
Board_1-/addr_bus_1: length 12.5
  Front w0.127: U2#8.5 25.27,83.08 25.9,83.7 25.9,85.74 27.37,87.21 27.37,88.95 27.75,89.33 J10#2.13 v1(27.75,91.15)
  Back w0.127: J10#2.13 v1(27.75,91.15)
Board_1-/addr_bus_2: length 13.4
  Front w0.127: U2#8.7 25.27,81.78 26.12,82.62 26.12,85.65 27.58,87.12 27.58,88.63 28.25,89.3 J10#2.12 v1(28.25,90.85)
  Back w0.127: J10#2.12 v1(28.25,90.85)
Board_1-/addr_bus_3: length 15.9
  Front w0.127: v1(28.75,91.15) J10#2.11 28.75,89.24 28.55,89.05 28.3,89.05 27.8,88.54 27.8,87.03 27.18,86.41 27.18,82.03 25.62,80.48 U2#8.9
  Back w0.127: J10#2.11 v1(28.75,91.15)
Board_1-/addr_bus_4: length 13.5
  Front w0.127: U2#8.12 28.19,80.48 27.4,81.27 27.4,86.32 28.02,86.94 28.02,88.45 28.39,88.83 29.01,88.83 29.25,89.07 J10#2.10 v1(29.25,90.85)
  Back w0.127: J10#2.10 v1(29.25,90.85)
Board_1-/addr_mod_0: length 17.2
  Front w0.127: U2#8.2 24.93,85.03 v1(24.94,85.03) ; v1(36.23,83.27) 36.23,83.51 35.44,84.29 U1#12.18
  Back w0.127: v1(24.94,85.03) 25.45,84.52 25.45,83.65 27.04,82.06 30.27,82.06 31.69,83.49 36.01,83.49 v1(36.23,83.27)
Board_1-/addr_mod_1: length 15
  Front w0.127: v1(25.04,83.76) 25,83.73 U2#8.4 ; U1#12.17 35.44,83.89 35.64,83.7 35.64,83.2 35.55,83.11 v1(35.55,83.05)
  Back w0.127: v1(35.55,83.05) 31.56,83.05 30.36,81.85 26.95,81.85 25.04,83.75 v1(25.04,83.76)
Board_1-/addr_mod_2: length 14.8
  Front w0.127: v1(35.76,82.47) 35.42,82.47 35.02,82.87 U1#12.16 ; U2#8.6 25.17,82.43 v1(25.2,82.4)
  Back w0.127: v1(35.76,82.47) 31.29,82.47 30.45,81.63 26.86,81.63 26.09,82.4 v1(25.2,82.4)
Board_1-/addr_mod_3: length 12
  Front w0.127: U1#12.7 31.69,84.69 31.68,84.7 v1(31.5,84.7) ; U2#8.8 25.42,81.13 26.7,82.4 v1(26.7,83)
  Back w0.127: v1(26.7,83) 27.42,82.28 30.18,82.28 31.5,83.6 v1(31.5,84.7)
Board_1-/addr_mod_4: length 6.5
  Front w0.127: U2#8.11 29.45,79.83 29.79,80.17 29.79,82.39 31.69,84.29 U1#12.8
Board_1-/AIN0: length 3.6
  Front w0.127: U1#12.11 32.3,82.84 31,81.54 J18#15.1
Board_1-/AUX1: length 4.9
  Front w0.127: J19#3.1 25.25,89.47 J10#2.18